# Altium PCB EMv2MainBoard.PcbDoc (continued)
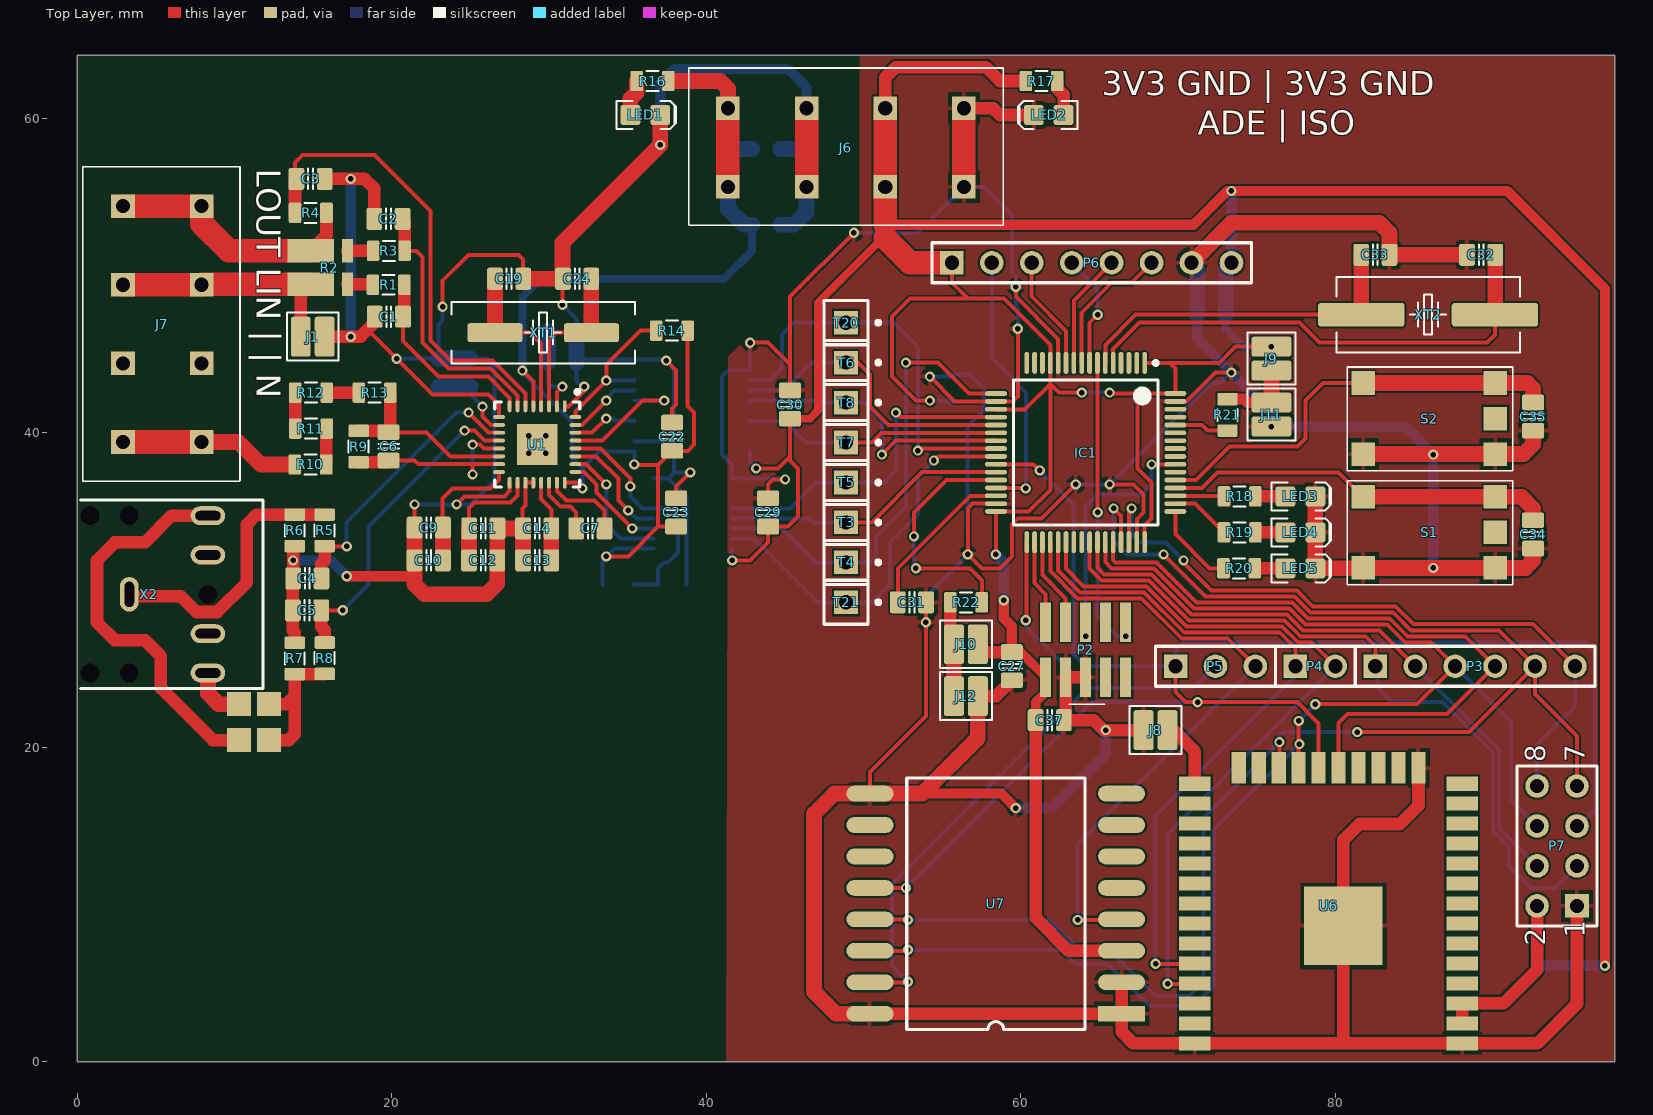
[diagram p0: Top Layer view]
## Part data
C1 C2 C3 C4 C5 C6 C7 C8 C9 C10 C11 C12 C13 C14 C15 C16 C17 C18 C19 C20 C21 C22 C23 C24 C27 C29 C30 C31 C34 C35 C36 C37 C38 C39: library part CAPC_100n_0805_X7R_50V_10%, "Capacitor SMD Cer 100nF 10% 50V X7R 0805", Manufacturer 1=Kemet, Manufacturer Part Number 1=C0805C104K5RACTU, Package / Case="0805 (2012 metric)", Ratings="50V; X7R", Supplier Part Number 1=399-1170-1-ND, Tolerance=±10%, Material=ceramic, SCDType=undef, Supplier 1=Digi-Key
C32 C33: library part CAPC_27p_0805_NP0_50V_5%, "Capacitor SMD Cer 27pF 5% 50V NP0 0805", Manufacturer 1="Panasonic - ECG", Manufacturer Part Number 1=ECJ-2VC1H270J, Operating Temperature="-55°C ~ 125°C", Package / Case="0805 (2012 metric)", Ratings="50V; NP0", Supplier Part Number 1=PCC270CGCT-ND, Tolerance=±5%, SCDType=undef, Supplier 1=Digi-Key
IC1: Manufacturer=STMICROELECTRONICS, Component Type=IC, Manufacturer Part No=STM32F410RBT6
J1 J8 J9 J10 J11 J12: library part JUMP1, "SMD jumper"
LED1 LED2 LED3 LED4 LED5: library part LED_SMD_Green_0805_6mcd, "LED, 0805 SMD, Green", Manufacturer 1=LITE-ON, Manufacturer Part Number 1=LTST-C171GKT, Package / Case=0805, Ratings="6 mcd; 569 nm", Supplier Part Number 1=160-1423-1-ND, Color=Green, Material=GaP, SCDType=source, Supplier 1=Digi-Key
P2: library part SW_debug
P3: "Header, 6-Pin", LatestRevisionDate=17-Jul-2002, LatestRevisionNote="Re-released for DXP Platform.", Publisher="Altium Limited"
P4: "Header, 2-Pin", LatestRevisionDate=17-Jul-2002, LatestRevisionNote="Re-released for DXP Platform.", Publisher="Altium Limited"
P5: "Header, 3-Pin", LatestRevisionDate=17-Jul-2002, LatestRevisionNote="Re-released for DXP Platform.", Publisher="Altium Limited"
P6: library part "Header 8", "Header, 8-Pin", LatestRevisionDate=17-Jul-2002, LatestRevisionNote="Re-released for DXP Platform.", Publisher="Altium Limited"
P7: library part "Header 4X2", "Header, 4-Pin, Dual row", LatestRevisionDate=17-Jul-2002, LatestRevisionNote="Re-released for DXP Platform.", Publisher="Altium Limited"
R1 R3 R4 R5 R6 R7 R8 R9 R10 R11 R12 R13 R14 R15: library part RES_100K_0805_1%, "Resistor SMD chip 100k Ohm 0.125W 1% 0805", Manufacturer 1=Vishay/Dale, Manufacturer Part Number 1=CRCW0805100KFKEA, Package / Case="0805 (2012 metric)", Ratings=1/8W, Supplier Part Number 1=541-100KCCT-ND, SCDType=spec, Supplier 1=Digi-Key
R2: library part wsk1216, "Power Metal Strip® Resistors, Low Value, / High Power, Surface-Mount, 4-Terminal", Mouser=71-WSK12161L000FEA
R16 R17 R18 R19 R20 R21 R22: library part RES_1K_0805_1%, "Resistor SMD chip 1k Ohm 0.125W 1% 0805", Manufacturer 1=Vishay/Dale, Manufacturer Part Number 1=CRCW08051K00FKEA, Package / Case="0805 (2012 metric)", Ratings=1/8W, Supplier Part Number 1=541-1.00KCCT-ND, Tolerance=±1%, SCDType=spec, Supplier 1=Digi-Key
T3 T4 T5 T6 T7 T8 T20 T21: library part Test_Point
U1: "Energy Metering IC with Autocalibration", Mouser=584-ADE9153AACPZ
U4: "6-Channel, Low-Power, / 3.75kVRMS, SPI Digital Isolator", Mouser=700-MAX14483AAP+
U5: library part Si8663BC-B-IS1, "Low Power Six-Channel Digital Isolator, 150 Mbps, 3.75 kVRMS Isolation Rating, -40 to 125 degC, 16-pin SOIC", Isolation Rating (kV)=3.75, Manufacturer="Silicon Labs", Supplier Part Number 1=336-2128-5-ND, 10kV surge=FALSE, AEC-Q100=FALSE, Channel Type=Unidirectional, Code_IPC=J-STD-020, Code_JEDEC=MS-012, ComponentLink1Description="Manufacturer URL", ComponentLink1URL=http://www.silabs.com/, ComponentLink2Description=Datasheet, ComponentLink2URL=http://www.silabs.com/Support%20Documents/TechnicalDocs/Si866x.pdf, ComponentLink3Description="Package Specification", ComponentLink3URL=http://www.silabs.com/Support%20Documents/TechnicalDocs/si2401.pdf, DatasheetVersion="Rev. 1.4", Enable Control=FALSE, Maximum Data Rate (Mbps)=150, Maximum Propagation Delay (ns)=13, Mounting Technology="Surface Mount", Mouser=634-SI8660BB-B-IU, PackageDescription="16-Pin Small-Outline Integrated Circuit, Body 9.9 x 3.9 mm, Pitch 1.27 mm", PackageReference=SOIC-16-NB, PartNumber=Si8663BC-B-IS1, Sub-Family=Isolators, Supplier 1=Digi-Key, Supplier 2=Mouser, Supplier Part Number 2=634-SI8663BC-B-IS1
U6: "Wi-Fi+BT+BLE MCU modules", ComponentLink1Description=Espressif, ComponentLink1URL=https://hr.mouser.com/datasheet/2/891/esp32-wroom-32d_esp32-wroom-32u_datasheet_en-1365844.pdf, Mouser=356-ES32WROOM32U16MB
X2: library part "Audio jack 35RAPC4BHN2", "Switchcraft 35RAPC4BHN2, 3.5mm stereo jack"
XT1 XT2: library part Crystal_6MHz_HC49/US, "Resonator Ceramic 6.00 MHz 30ppm", Frequency=6MHz, Frequency Stability=±50ppm, Frequency Tolerance=±30ppm, Load Capacitance=18pF, Manufacturer 1="CTS-Frequency Controls", Manufacturer Part Number 1=ATS060BSM-1, Operating Mode=Fundamental, Operating Temperature="-20°C ~ 70°C", Package / Case=HC49/US-SM, Ratings="6.00 MHz", Supplier Part Number 1=CTX882CT-ND, ComponentLink1Description=http://www.ctscorp.com/components/Datasheets/008-0309-0.pdf, ComponentLink1URL=http://www.ctscorp.com/components/Datasheets/008-0309-0.pdf, Mounting Type="Surface Mount", Parameter Name="0.169\" (4.30mm)", SCDType=spec, Size / Dimension="0.437\" L x 0.190\" W (11.10mm x 4.83mm)", Supplier 1=Digi-Key, Type="MHz Crystal"

## Free pads (board coordinates)
  rect 1.524x1.524 smd: 2(10.287,20.447) 2(10.287,22.733) 2(12.192,20.447) 3(12.192,22.733)

## Via types
v1: diameter 0.65, hole 0.35, Top Layer to Bottom Layer, 95 vias

## Nets (pads, with @x,y where several pads share a name; then routed paths per layer and width w, separated by ;. In a path a pad name is that pad's centre, name@x,y a point inside that pad or via, vN(x,y) a via of type N, cw(c..) or ccw(c..) an arc to the next point about the centre after c; other vN are vias at no path point)
3V3-ADE: C20.1 C21.1 C22.1 C23.1 J6.1 R14.1 R15.1 R16.1 U1.5 U1.24 U4.1 U5.1 | length 85.8
  Top Layer w0.254: v1(28.321,43.942) 29.011,43.252 U1.5 ; U1.24 31.762,36.818 v1(32.131,36.449) ; v1(33.655,32.131) 35.052,32.131 36.946,34.025 ; v1(35.433,37.973) 35.466,37.94 36.946,37.94 ; C23.1 36.946,34.025 ; R14.1 38.83,41.688 39.243,41.275 39.243,39.243 38.84,38.84 C22.1 36.946,37.94 ; 36.946,34.025 36.946,37.94
  Top Layer w1: R16.1 40.894,62.357 41.388,61.863 J6.1@41.388,60.626
  Top Layer w1.5: J6.1@41.388,55.626 J6.1@41.388,60.626
  Bottom Layer w0.254: v1(28.321,43.942) 28.321,43.815 31.496,40.64 31.496,38.354 32.131,37.719 ; v1(32.131,36.449) 32.131,37.719 ; R15.1 33.417,31.893 v1(33.655,32.131) 34.163,32.639 U5.1 ; v1(35.433,37.973) 35.433,38.771 U4.1 33.199,38.787 32.131,37.719
  Bottom Layer w0.5: v1(28.321,43.942) 28.321,48.641 29.464,49.784 41.148,49.784 42.915,51.551 C20.1
  Bottom Layer w1: J6.1@41.388,55.626 41.388,54.243 42.418,53.213 C20.1 ; 41.388,58.126 41.475,58.039 C21.1
  Bottom Layer w1.5: J6.1@41.388,55.626 41.388,58.126 J6.1@41.388,60.626
AO-LCD: IC1.8 P6.4 | length 7.3
  Top Layer w0.254: IC1.8 64.385,46.986 v1(64.897,47.498)
  Bottom Layer w0.254: P6.4 64.897,49.149 v1(64.897,47.498)
AVDDOUT: C9.1 C10.1 U1.16 | length 8.5
  Top Layer w0.254: C9.1 23.241,33.982 23.241,35.814 23.876,36.449 26.289,36.449 26.836,36.996 U1.16
  Top Layer w1: C10.1 C9.1
BOOT0: IC1.60 R21.2 | length 3.5
  Top Layer w0.254: IC1.60 71.529,40.485 71.882,40.132 R21.2
BOOT1: IC1.28 R22.2 | length 15.6
  Top Layer w0.254: v1(53.213,33.401) 53.213,34.925 55.273,36.985 IC1.28 ; v1(53.34,31.369) 56.769,31.369 57.531,30.607 R22.2
  Bottom Layer w0.254: v1(53.213,33.401) 53.213,31.496 v1(53.34,31.369)
CE-NRF: IC1.41 P3.1 P7.3 | length 46.8
  Top Layer w0.254: IC1.41 64.385,31.373 65.151,30.607 68.164,30.607 70.704,28.067 76.77,28.067 77.786,27.051 81.915,27.051 82.55,26.416 P3.1
  Bottom Layer w0.254: P3.1 82.677,25.019 82.677,23.749 83.566,22.86 86.837,22.86 90.043,19.654 90.043,14.701 91.059,13.685 91.059,12.446 92.456,11.049 93.98,11.049 P7.3
CLK-ESP: IC1.26 P5.1 P7.5 U6.20 U7.12 | length 102.2
  Top Layer w0.254: U7.12 v1(52.705,11.049) ; IC1.26 60.821,37.985 v1(61.214,37.592) ; P5.1 69.85,23.495 70.485,22.86 v1(71.247,22.86) 77.597,22.86 78.948,21.509 U6.20
  Bottom Layer w0.254: v1(52.705,11.049) 64.516,22.86 v1(71.247,22.86) ; v1(61.214,37.592) 63.373,35.433 63.373,25.908 64.135,25.146 P5.1 69.85,26.162 70.358,26.67 95.885,26.67 96.52,26.035 96.52,16.002 95.504,14.986 P7.5
CLKIN: C19.2 U1.4 XT1.2 | length 10.7
  Top Layer w0.254: XT1.2 28.829,46.355 29.511,45.673 U1.4
  Top Layer w1: XT1.2 C19.2
CLKOUT: C24.2 U1.3 XT1.1 | length 10.5
  Top Layer w0.254: U1.3 30.011,45.886 30.48,46.355 XT1.1 XT1.1@32.701,46.366
  Top Layer w1: XT1.1@32.701,46.366 C24.2
CS-ESP: IC1.44 P3.4 U6.19 | length 42.5
  Top Layer w0.254: IC1.44 65.885,31.905 66.04,31.75 68.638,31.75 71.178,29.21 77.243,29.21 78.259,28.194 83.47,28.194 84.613,27.051 88.265,27.051 P3.4 87.122,22.098 80.772,22.098 80.218,21.544 U6.19
CS-LCD: IC1.9 P6.6 | length 8.9
  Top Layer w0.254: IC1.9 63.885,47.629 65.786,49.53 67.056,49.53 P6.6
CSN-NRF: IC1.42 P3.2 P7.4 | length 40.3
  Top Layer w0.254: IC1.42 64.885,31.412 65.309,30.988 68.322,30.988 70.862,28.448 76.927,28.448 77.943,27.432 82.804,27.432 P3.2
  Bottom Layer w0.254: P3.2 90.424,19.812 90.424,14.859 P7.4
CT1: R5.2 R6.1 X2.1 | length 17.6
  Top Layer w0.8: X2.1 3.449,29.591 6.604,29.591 7.604,28.591 8.906,28.591 10.795,30.48 10.795,34.163 11.414,34.782 R6.1 R5.2
CT2: pad.2 pad.3 R7.2 R8.2 X2.2 X2.3 | length 38.5
  Top Layer w0.8: X2.2 X2.2@8.386,24.654 ; X2.3 6.016,34.718 4.318,33.02 2.413,33.02 1.27,31.877 1.27,27.94 2.413,26.797 4.318,26.797 5.334,25.781 5.334,23.749 8.636,20.447 pad.2@10.287,20.447 ; pad.2@12.192,20.447 13.462,20.447 13.843,20.828 13.843,23.241 ; pad.3 13.335,22.733 13.843,23.241 ; R8.2 15.732,24.638 R7.2 13.843,23.241
  Top Layer w1: X2.2 8.322,23.428 9.017,22.733 pad.2@10.287,22.733
DVDOUT: C17.1 C18.1 U1.2 | length 5.7
  Top Layer w0.254: U1.2 30.511,42.576 v1(30.861,42.926)
  Bottom Layer w0.254: C17.1 29.961,43.191 30.226,42.926 v1(30.861,42.926)
  Bottom Layer w1: C17.1 C18.1
FA1: C7.2 U1.22 | length 4
  Top Layer w0.254: U1.22 30.011,36.029 30.734,35.306 31.369,35.306 31.739,34.936 C7.2
FA2: C7.1 U1.23 | length 5.2
  Top Layer w0.254: U1.23 30.511,36.291 31.115,35.687 32.893,35.687 33.539,35.041 C7.1
GND: C27.2 C29.1 C30.1 C31.2 C32.1 C33.1 C34.1 C35.1 C36.2 C37.2 C38.2 C39.2 IC1.12 IC1.18 IC1.31 IC1.47 IC1.63 J6.4 J8.2 J11.2 J12.2 LED2.K LED3.K LED4.K LED5.K P2.3 P2.5 P6.7 P7.1 S1.2 S2.2 U4.11 U4.12 U5.9 U6.1 U6.15 U6.38 U7.1 U7.2 U7.9 U7.16 | length 370
  Top Layer w0.254: v1(42.799,45.72) 43.942,45.72 45.339,44.323 ; C29.1 43.942,36.703 44.259,37.02 v1(45.021,37.02) ; C30.1 45.339,44.323 ; v1(49.403,52.705) 45.339,48.641 45.339,44.323 ; U7.9 50.419,18.415 53.975,21.971 v1(53.975,27.94) 53.975,29.199 C31.2 ; v1(54.229,43.561) 55.805,41.985 IC1.18 59.511,41.985 59.817,42.291 v1(59.817,46.609) ; IC1.31 56.948,35.485 56.642,35.179 v1(56.642,32.258) 57.531,31.369 58.674,31.369 59.436,32.131 59.436,34.163 59.817,34.544 61.341,34.544 v1(63.5,36.703) ; v1(59.69,49.276) 59.69,48.641 62.385,45.946 IC1.12 ; v1(65.659,36.703) 67.183,36.703 67.818,36.068 67.818,34.925 67.385,34.492 IC1.47 ; IC1.63 70.56,41.985 72.39,43.815 v1(73.406,43.815)
  Top Layer w0.65: 53.752,17.049 58.77,17.049 v1(59.69,16.129)
  Top Layer w0.8: U7.16 U7.1 ; J6.4@56.388,60.626 58.246,60.626 58.674,60.198 LED2.K ; J12.2 58.431,23.241 C27.2 ; P2.5 P2.3 62.865,21.833 C37.2 64.643,21.717 65.278,21.082 v1(65.405,21.082) J8.2 ; U7.2 U7.1 ; U6.15 85.298,16.302 84.109,15.113 81.534,15.113 80.518,14.097 80.518,8.636 80.518,1.166 ; P7.1 95.377,3.683 92.86,1.166 U6.1 80.518,1.166 ; U7.1 66.419,1.907 67.16,1.166 71.078,1.166 80.518,1.166
  Top Layer w1: U7.16 48.259,3.049 46.863,4.445 46.863,15.748 48.164,17.049 U7.9 53.752,17.049 57.277,20.574 J12.2 ; P6.7 73.406,53.34 82.804,53.34 83.45,52.694 C33.1 C32.1 ; LED3.K LED4.K LED5.K 81.75,31.369 81.775,31.394 v1(86.233,31.394) 90.183,31.394 92.1,31.394 92.583,31.877 C34.1 ; S2.2@81.775,38.633 90.183,38.633 91.973,38.633 92.583,39.243 C35.1
  Top Layer w1.5: J6.4@56.388,55.626 J6.4@56.388,60.626
  Bottom Layer w0.254: v1(42.799,45.72) U4.11 U4.12 41.447,43.987 41.021,43.561 41.021,38.608 41.656,37.973 U5.9 44.958,37.084 v1(45.021,37.02) ; v1(49.403,52.705) 53.467,52.705 56.388,55.626 57.658,55.626 59.436,53.848 59.436,50.165 59.69,49.911 v1(59.69,49.276) 59.69,48.006 59.817,47.879 v1(59.817,46.609) ; v1(53.975,27.94) 53.975,29.591 v1(56.642,32.258) 56.642,33.644 C38.2 56.631,40.375 57.658,41.402 57.658,42.799 56.769,43.688 C39.2 55.499,43.561 v1(54.229,43.561) ; v1(63.5,36.703) v1(65.659,36.703) 72.136,43.18 72.771,43.18 v1(73.406,43.815)
  Bottom Layer w0.65: v1(59.69,16.129) 61.976,16.129 65.405,19.558 v1(65.405,21.082) ; C36.2 71.236,45.985 v1(73.406,43.815) 75.946,41.275 v1(75.946,40.386) 84.455,40.386 v1(86.233,38.608) v1(86.233,31.394)
  Bottom Layer w1: P6.7 71.236,50.43 C36.2
  Bottom Layer w1.5: J6.4@56.388,55.626 J6.4@56.388,60.626
GND-ADE: C1.2 C2.1 C3.2 C4.2 C5.1 C8.2 C9.2 C10.2 C11.2 C12.2 C13.2 C14.2 C15.2 C16.2 C17.2 C18.2 C19.1 C20.2 C21.2 C22.2 C23.2 C24.1 J1.1 J6.2 LED1.K R6.2 R7.1 U1.1 U1.9 U1.17 U1.19 U1.20 U4.2 U4.10 U5.8 | length 189.6
  Top Layer w0.254: 18.479,46.545 v1(20.32,44.704) 22.606,42.418 26.162,42.418 26.836,41.744 U1.9 ; C9.2 v1(21.463,35.433) ; v1(23.241,48.006) 23.241,49.657 24.892,51.308 28.067,51.308 28.372,51.003 C19.1 ; v1(24.13,35.433) 24.638,35.941 27.178,35.941 27.511,36.274 U1.17 ; C14.2 28.321,33.949 28.321,35.179 28.511,35.369 U1.19 U1.20 ; v1(30.861,48.133) C24.1@30.861,49.744 ; U1.1 31.254,41.668 32.258,42.672 v1(32.258,42.926) ; v1(37.465,44.577) 38.1,43.942 38.1,41.783 37.846,41.529 C22.2 ; C23.2 38.1,36.576 v1(38.989,37.465)
  Top Layer w0.65: v1(17.145,30.861) 21.463,30.861
  Top Layer w0.8: R7.1 13.843,27.305 13.716,27.432 13.716,30.711 C4.2 v1(13.739,31.877) 13.739,32.678 R6.2 ; J1.1 v1(17.399,46.101) 18.034,46.101 18.479,46.545 18.923,46.99 C1.2 ; C3.2 v1(17.399,56.134) 18.288,56.134 18.901,55.521 C2.1
  Top Layer w1: C9.2 C10.2 21.463,30.861 21.463,30.353 22.098,29.718 26.035,29.718 26.721,30.404 C12.2 26.721,33.898 C11.2 28.281,33.909 C14.2@28.321,33.949 ; C13.2 C14.2 ; C19.1 C24.1@30.861,49.784 ; C24.1@30.861,49.744 C24.1@30.861,49.784 ; LED1.K v1(37.084,58.293) 30.861,52.07 C24.1@30.861,49.784
  Top Layer w1.5: J6.2@46.388,55.626 J6.2@46.388,60.626
  Bottom Layer w0.254: v1(20.32,44.704) 20.331,44.715 C15.2 22.987,46.863 23.241,47.117 v1(23.241,48.006) ; v1(21.463,35.433) v1(24.13,35.433) 25.019,35.433 26.543,36.957 26.543,44.196 26.024,44.715 C16.2 ; v1(30.861,48.133) 31.761,47.233 C18.2 ; v1(32.258,42.926) 32.131,42.926 31.761,43.296 C17.2 31.948,44.637 U4.10 37.405,44.637 v1(37.465,44.577) 37.973,44.069 37.973,39.116 ; U4.2 37.652,39.437 37.973,39.116 ; U5.8 37.592,37.084 ; C8.2 38.746,35.93 37.592,37.084 ; v1(38.989,37.465) 37.973,37.465 ; 37.592,37.084 37.973,37.465 ; 37.973,37.465 37.973,39.116
  Bottom Layer w0.65: v1(13.739,31.877) 16.129,31.877 v1(17.145,30.861) ; v1(17.399,46.101) v1(17.399,56.134) ; v1(37.084,58.293) 37.084,62.23 37.973,63.119 45.212,63.119 46.388,61.943 J6.2@46.388,60.626
  Bottom Layer w1: C15.2 C16.2 ; C17.2 C18.2 ; C20.2 45.593,53.213 46.388,54.008 J6.2@46.388,55.626 ; C21.2 46.388,58.039
  Bottom Layer w1.5: J6.2@46.388,55.626 46.388,58.039 J6.2@46.388,60.626
IAMS: C3.1 R4.1 U1.6 | length 30
  Top Layer w0.254: C3.1@13.859,56.045 13.859,57.166 14.351,57.658 18.923,57.658 22.479,54.102 22.479,45.847 23.749,44.577 26.416,44.577 28.511,42.482 U1.6
  Top Layer w0.8: R4.1 C3.1@13.859,56.045
IAN: C2.2 R3.1 U1.7 | length 17
  Top Layer w0.254: R3.1 21.59,51.562 21.971,51.181 21.971,45.72 23.622,44.069 26.289,44.069 28.011,42.347 U1.7
  Top Layer w0.8: C2.2 20.828,53.467 R3.1
IAP: C1.1 R1.1 U1.8 | length 12.4
  Top Layer w0.254: C1.1 20.723,45.825 22.987,43.561 26.162,43.561 27.511,42.212 U1.8
  Top Layer w0.8: C1.1 20.812,47.46 R1.1
IBN: C4.1 R5.1 U1.11 | length 18.2
  Top Layer w0.254: R5.1 15.764,32.766 v1(17.145,32.766) ; v1(24.892,41.275) 26.174,39.993 U1.11
  Top Layer w0.8: C4.1 15.539,31.668 15.748,31.877 R5.1
  Bottom Layer w0.254: v1(17.145,32.766) 17.145,34.29 24.13,41.275 v1(24.892,41.275)
IBP: C5.2 R8.1 U1.12 | length 20.5
  Top Layer w0.254: C5.2 v1(16.891,28.702) ; v1(24.638,40.132) 25.273,40.132 25.912,39.493 U1.12
  Top Layer w0.8: C5.2 15.528,27.652 15.748,27.432 R8.1
  Bottom Layer w0.254: v1(16.891,28.702) 18.542,30.353 18.542,33.909 ; 18.542,34.036 v1(24.638,40.132)
IRQ-NRF: IC1.46 P3.6 P7.8 | length 44.2
  Top Layer w0.254: IC1.46 66.885,35.008 v1(67.056,35.179) ; v1(70.358,31.877) 70.358,31.75 72.136,29.972 77.559,29.972 78.575,28.956 83.851,28.956 84.978,27.828 92.568,27.828 P3.6
  Bottom Layer w0.254: v1(67.056,35.179) 67.056,33.528 67.564,33.02 69.215,33.02 v1(70.358,31.877) ; P7.8 92.837,20.193 95.25,22.606 P3.6
LED1: IC1.51 R18.1 | length 3.1
  Top Layer w0.254: IC1.51 72.886,35.985 R18.1
LED2: IC1.50 R19.1 | length 3.9
  Top Layer w0.254: IC1.50 71.1,35.485 R19.1
LED3: IC1.49 R20.1 | length 5.4
  Top Layer w0.254: IC1.49 69.835,33.543 72.009,31.369 R20.1
MISO-ESP: IC1.45 P3.5 P7.7 U6.22 U7.13 | length 104.2
  Top Layer w0.254: U7.13 52.8,9.049 v1(52.832,9.017) ; v1(65.913,35.179) 66.385,34.707 IC1.45 ; v1(69.088,32.258) 71.755,29.591 77.401,29.591 78.417,28.575 83.693,28.575 84.836,27.432 90.424,27.432 P3.5 ; U6.22 76.454,18.722 v1(76.454,20.32) ; v1(81.407,20.955) 88.519,20.955 P3.5 ; P7.7 95.377,20.701 92.71,23.368 P3.5
  Bottom Layer w0.254: v1(52.832,9.017) 61.849,9.017 63.754,7.112 65.659,7.112 68.58,4.191 70.739,4.191 71.628,5.08 71.628,15.494 v1(76.454,20.32) 76.454,20.701 76.708,20.955 v1(81.407,20.955) ; v1(65.913,35.179) 65.913,33.147 66.802,32.258 v1(69.088,32.258)
MISO-LCD: IC1.10 P6.5 | length 7.4
  Top Layer w0.254: IC1.10 63.385,48.399 P6.5
MOSI-ESP: IC1.43 P3.3 P7.6 U6.21 U7.14 | length 94.5
  Top Layer w0.254: U7.14 52.769,7.049 v1(52.832,7.112) ; IC1.43 65.385,31.77 65.786,31.369 68.48,31.369 71.02,28.829 77.085,28.829 78.101,27.813 83.312,27.813 84.455,26.67 86.106,26.67 P3.3 85.217,22.733 v1(78.74,22.733) ; U6.21 v1(77.678,21.671)
  Bottom Layer w0.254: v1(52.832,7.112) 62.611,7.112 63.5,6.223 65.532,6.223 68.199,3.556 70.993,3.556 72.263,4.826 72.263,14.732 v1(77.724,20.193) ; v1(77.678,21.671) v1(78.74,22.733) ; P3.3 91.186,21.59 91.186,16.637 P7.6
MOSI-LCD: IC1.11 P6.3 | length 7.3
  Top Layer w0.254: P6.3 60.706,48.641 62.885,46.462 IC1.11
MSH: C13.1 C14.1 U1.21 | length 5.2
  Top Layer w0.254: U1.21 29.511,35.767 30.161,35.117 C14.1
  Top Layer w1: C13.1 C14.1
NetC31_1: C31.1 IC1.30 | length 10.3
  Top Layer w0.254: C31.1 52.186,31.358 56.813,35.985 IC1.30
NetIC1_17: IC1.17 T4.1 U5.14 | length 29.8
  Top Layer w0.254: v1(52.705,44.45) 54.737,44.45 56.702,42.485 IC1.17
  Bottom Layer w0.254: U5.14 44.831,33.909 46.99,31.75 T4.1 50.419,31.75 50.8,32.131 50.8,33.401 52.705,35.306 v1(52.705,44.45)
NetIC1_20: IC1.20 T5.1 U5.12 | length 21.6
  Top Layer w0.254: v1(52.07,41.275) 52.36,40.985 IC1.20
  Bottom Layer w0.254: U5.12 45.339,35.179 46.99,36.83 T5.1 51.308,36.83 52.07,37.592 v1(52.07,41.275)
NetIC1_21: IC1.21 T6.1 U4.14 | length 19.2
  Top Layer w0.254: T6.1 49.657,44.45 50.419,43.688 50.419,41.656 51.59,40.485 IC1.21
  Bottom Layer w0.254: U4.14 44.973,42.687 46.736,44.45 T6.1
NetIC1_22: IC1.22 T7.1 U4.17 | length 16.5
  Top Layer w0.254: T7.1 50.546,39.37 51.161,39.985 IC1.22
  Bottom Layer w0.254: U4.17 44.988,40.737 46.355,39.37 T7.1
NetIC1_23: IC1.23 T8.1 U4.15 | length 18.7
  Top Layer w0.254: v1(51.181,38.608) 52.058,39.485 IC1.23
  Bottom Layer w0.254: U4.15 46.99,42.037 47.117,41.91 T8.1 50.038,41.91 51.181,40.767 v1(51.181,38.608)
NetIC1_24: IC1.24 T20.1 U4.13 | length 25.7
  Top Layer w0.254: v1(53.467,38.862) 53.59,38.985 IC1.24
  Bottom Layer w0.254: U4.13 44.099,43.337 44.831,44.069 44.831,46.228 45.593,46.99 T20.1 51.943,46.99 53.467,45.466 v1(53.467,38.862)
NetIC1_25: IC1.25 T21.1 U5.15 | length 25.3
  Top Layer w0.254: v1(54.483,38.227) 54.741,38.485 IC1.25
  Bottom Layer w0.254: U5.15 43.053,33.274 47.117,29.21 T21.1 50.546,29.21 51.689,30.353 51.689,33.02 53.467,34.798 53.467,37.211 v1(54.483,38.227)
NetIC1_27: IC1.27 T3.1 U5.13 | length 18.2
  Top Layer w0.254: T3.1 50.546,34.29 53.741,37.485 IC1.27
  Bottom Layer w0.254: U5.13 46.482,34.544 46.736,34.29 T3.1
NetJ1_2: J1.2 J7.3 R2.2 | length 15.5
  Top Layer w0.8: J1.2 14.224,48.787 R2.2
  Top Layer w1.5: J7.3@2.921,49.403 7.921,49.403 7.94,49.422 R2.2
NetJ2_2: 
NetJ3_1: 
NetJ3_4: J7.1 R10.2 | length 11.5
  Top Layer w1: J7.1@7.921,39.403 10.254,39.403 11.684,37.973 R10.2
  Top Layer w1.5: J7.1@2.921,39.403 J7.1@7.921,39.403
NetJ4_2: 
NetJ7_4: J7.4 R2.1 R4.2 | length 16.6
  Top Layer w0.8: R2.1 15.859,52.562 R4.2
  Top Layer w1.5: J7.4@2.921,54.403 7.921,54.403 7.921,53.293 9.652,51.562 R2.1
NetJ8_1: J8.1 U6.25 | length 4.3
  Top Layer w0.8: J8.1 69.723,21.082 71.078,19.727 U6.25
NetJ9_2: J9.2 J11.1 R21.1 | length 4.9
  Top Layer w0.7: R21.1 74.2,42.132 74.422,41.91 J11.1
  Top Layer w1: J11.1 J9.2
NetJ10_2: J10.2 J12.1 R22.1 | length 6.1
  Top Layer w0.254: J10.2@55.531,26.765 J10.2
  Top Layer w0.8: J10.2@55.531,26.765 R22.1
  Top Layer w1: J12.1 J10.2
NetLED1_A: LED1.A R16.2 | length 2.3
  Top Layer w1: LED1.A 35.179,61.214 35.592,61.627 R16.2
NetLED2_A: LED2.A R17.2 | length 2.3
  Top Layer w0.8: R17.2 62.325,61.881 62.738,61.468 LED2.A
NetLED3_A: LED3.A R18.2 | length 1.9
  Top Layer w0.8: R18.2 LED3.A
NetLED4_A: LED4.A R19.2 | length 1.9
  Top Layer w0.8: R19.2 LED4.A
NetLED5_A: LED5.A R20.2 | length 1.9
  Top Layer w0.8: R20.2 LED5.A
NetR1_2: R1.2 R2.4 | length 1.6
  Top Layer w0.8: R2.4 18.793,49.422 R1.2
NetR2_3: R2.3 R3.2 | length 1.6
  Top Layer w0.8: R2.3 18.818,51.572 R3.2
NetR10_1: R10.1 R11.2 | length 2.3
  Top Layer w0.8: R10.1 15.843,40.227 R11.2
NetR11_1: R11.1 R12.2 | length 2.3
  Top Layer w0.8: R11.1 R12.2
NetR12_1: R12.1 R13.2 | length 2
  Top Layer w0.8: R12.1 R13.2
NetU1_25: U1.25 U5.3 | length 6.8
  Top Layer w0.254: U1.25 32.23,37.493 33.02,36.703 33.02,36.195 v1(35.306,33.909)
  Bottom Layer w0.254: v1(35.306,33.909) U5.3
NetU1_26: U1.26 U5.2 | length 8.4
  Top Layer w0.254: U1.26 32.365,37.993 v1(33.655,36.703)
  Bottom Layer w0.254: v1(33.655,36.703) 33.655,34.163 34.544,33.274 U5.2
NetU1_27: U1.27 U5.4 | length 7.4
  Top Layer w0.254: U1.27 33.008,38.493 34.417,37.084 34.417,35.687 v1(35.052,35.052)
  Bottom Layer w0.254: v1(35.052,35.052) 35.56,34.544 U5.4
NetU1_29: U1.29 U4.6 | length 8.6
  Top Layer w0.254: U1.29 33.397,39.493 35.941,42.037 v1(37.338,42.037)
  Bottom Layer w0.254: U4.6 v1(37.338,42.037)
NetU1_30: U1.30 U4.4 | length 4.2
  Top Layer w0.254: U1.30 32.754,39.993 v1(33.655,40.894)
  Bottom Layer w0.254: v1(33.655,40.894) 34.036,40.894 34.163,40.767 35.419,40.767 U4.4
NetU1_31: U1.31 U4.7 | length 4.7
  Top Layer w0.254: U1.31 32.111,40.493 v1(33.655,42.037)
  Bottom Layer w0.254: v1(33.655,42.037) 33.655,42.164 34.178,42.687 U4.7
NSS-LORA: IC1.33 P5.2 U7.15 | length 46.3
  Top Layer w0.254: U7.15 52.801,5.049 v1(52.832,5.08) ; v1(60.325,28.067) 60.385,28.127 IC1.33
  Bottom Layer w0.254: v1(52.832,5.08) 51.816,6.096 51.816,11.303 64.262,23.749 ; v1(60.325,28.067) 60.325,27.686 64.262,23.749 ; P5.2 70.993,23.749 64.262,23.749
REFIN: C11.1 C12.1 U1.18 | length 7.6
  Top Layer w0.254: C12.1@24.892,31.848 C12.1 ; C11.1@24.921,33.898 24.921,35.208 25.273,35.56 27.559,35.56 28.011,36.012 U1.18
  Top Layer w1: C12.1 C11.1@24.921,33.898
RES-ADE-HOT: C8.1 R15.2 U1.28 U5.5 | length 15.5
  Top Layer w0.254: U1.28 33.27,38.993 35.179,37.084 v1(35.179,36.576)
  Bottom Layer w0.254: v1(35.179,36.576) 35.179,35.941 35.941,35.179 U5.5 37.719,35.179 38.227,34.671 38.227,32.385 37.592,31.75 37.338,31.75 36.946,31.358 C8.1 R15.2
RES-LORA: IC1.36 P5.3 U7.4 | length 41
  Top Layer w0.254: IC1.36 61.885,31.206 63.627,29.464 67.691,29.464 70.231,26.924 73.152,26.924 P5.3 ; v1(63.627,9.017) 66.387,9.017 U7.4
  Bottom Layer w0.254: v1(63.627,9.017) 63.627,13.843 P5.3
RESET: IC1.7 P2.10 | length 18.8
  Top Layer w0.254: IC1.7 64.885,34.937 v1(64.897,34.925) ; v1(66.675,27.051) P2.10@66.675,27.432
  Bottom Layer w0.254: v1(64.897,34.925) 64.897,28.321 66.167,27.051 v1(66.675,27.051)
RXD0-ESP32: IC1.37 P4.1 U6.34 | length 45.2
  Top Layer w0.254: IC1.37 62.385,31.245 63.785,29.845 67.849,29.845 70.389,27.305 76.454,27.305 77.47,26.289 P4.1 ; v1(68.58,6.223) 71.055,6.223 U6.34
  Bottom Layer w0.254: v1(68.58,6.223) 68.58,15.621 77.47,24.511 P4.1
SCLK-LCD: IC1.29 P6.2 | length 17.2
  Top Layer w0.254: IC1.29 60.289,36.485 v1(60.325,36.449)
  Bottom Layer w0.254: P6.2 58.166,44.704 60.325,42.545 v1(60.325,36.449)
SS-ADE-HOT: R14.2 U1.32 U4.8 | length 10
  Top Layer w0.254: U1.32 31.686,41.338 v1(33.655,43.307) 33.655,44.323 35.814,46.482 R14.2
  Bottom Layer w0.254: v1(33.655,43.307) 35.419,43.307 U4.8
SW1: C34.2 IC1.52 S1.1 | length 24.9
  Top Layer w0.254: IC1.52 71.537,36.485 72.517,37.465 80.226,37.465 S1.1@81.775,35.916
  Top Layer w1: S1.1@81.775,35.916 90.183,35.916 91.846,35.916 92.583,35.179 C34.2
SW2: C35.2 IC1.53 S2.1 | length 27.7
  Top Layer w0.254: IC1.53 71.148,36.985 73.279,39.116 77.597,39.116 78.105,39.624 78.105,42.037 79.223,43.155 S2.1@81.775,43.155
  Top Layer w1: S2.1@81.775,43.155 90.183,43.155 92.227,43.155 92.583,42.799 C35.2
SWCLK: IC1.35 P2.4 | length 5.7
  Top Layer w0.254: IC1.35 61.385,30.944 62.865,29.464 P2.4
SWDIO: IC1.34 P2.2 | length 5.4
  Top Layer w0.254: IC1.34 60.885,30.428 61.595,29.718 P2.2
SWO: IC1.55 P2.6 | length 16.7
  Top Layer w0.254: v1(64.135,27.051) P2.6 ; v1(68.326,37.973) 68.338,37.985 IC1.55
  Bottom Layer w0.254: v1(64.135,27.051) 64.135,35.306 64.897,36.068 67.691,36.068 68.326,36.703 v1(68.326,37.973)
TXD0-ESP32: IC1.38 P4.2 U6.35 | length 47.7
  Top Layer w0.254: IC1.38 62.885,31.349 64.008,30.226 68.007,30.226 70.547,27.686 76.612,27.686 77.628,26.67 78.486,26.67 P4.2 ; v1(69.342,4.953) 71.055,4.953 U6.35
  Bottom Layer w0.254: v1(69.342,4.953) 69.342,14.478 P4.2
VAN: C6.1 R9.1 U1.13 U1.15 | length 13.4
  Top Layer w0.254: C6.1 21.463,38.227 21.697,37.993 25.146,37.993 ; v1(25.146,37.338) 25.146,37.993 ; v1(25.146,39.243) 25.623,39.243 25.873,38.993 U1.13 ; U1.15 25.146,37.993
  Top Layer w0.8: R9.1 19.701,38.116 C6.1
  Bottom Layer w0.254: v1(25.146,37.338) v1(25.146,39.243)
VAP: C6.2 R9.2 R13.1 U1.14 | length 12
  Top Layer w0.254: C6.2@19.923,40.138 20.056,40.005 22.225,40.005 23.737,38.493 U1.14
  Top Layer w0.8: R9.2 19.901,40.116 19.923,40.138 R13.1
VCC: C27.1 C29.2 C30.2 C36.1 C37.1 C38.1 C39.1 IC1.1 IC1.13 IC1.19 IC1.32 IC1.48 IC1.64 J6.3 J9.1 J10.1 P2.1 P6.1 P6.8 P7.2 R17.1 U4.20 U5.16 U6.2 U6.3 U7.3 | length 285.9
  Top Layer w0.254: v1(41.656,31.877) 42.799,31.877 43.942,33.02 C29.2 45.201,34.025 45.847,34.671 45.847,37.719 45.339,38.227 45.339,38.481 ; v1(43.18,37.719) 44.577,37.719 45.339,38.481 ; C30.2 45.339,38.481 ; v1(54.229,42.037) 53.34,42.037 51.816,43.561 51.816,47.371 52.959,48.514 56.642,48.514 ; P6.1 55.626,49.53 56.642,48.514 ; v1(58.42,32.258) 58.435,32.273 IC1.32 60.512,34.985 61.885,36.358 61.885,43.089 ; IC1.19 60.281,41.485 61.885,43.089 ; v1(63.881,42.545) 62.429,42.545 61.885,43.089 ; v1(65.659,42.545) 65.719,42.485 67.437,42.485 ; IC1.48 67.885,34.103 68.326,34.544 68.326,36.83 67.437,37.719 67.437,42.485 ; IC1.1 69.484,44.435 ; v1(75.946,45.466) 73.66,45.466 72.629,44.435 69.484,44.435 ; 56.642,48.514 58.928,48.514 61.885,45.557 IC1.13 61.885,43.089 ; 67.437,42.485 IC1.64 69.835,44.084 69.484,44.435
  Top Layer w0.5: C30.2 46.598,40.883 47.117,41.402 47.117,48.26 51.228,52.371 51.388,52.371
  Top Layer w0.6: C27.1 59.999,26.046 P2.1 61.595,23.495 60.949,22.849 C37.1
  Top Layer w0.65: 51.388,53.213 70.993,53.213 73.152,55.372 v1(73.406,55.372) 90.932,55.372 97.155,49.149 v1(97.155,6.096) ; v1(58.928,29.337) 58.928,28.194 59.436,27.686 C27.1
  Top Layer w0.8: J6.3@51.388,60.626 51.388,62.564 52.07,63.246 57.785,63.246 58.674,62.357 R17.1 ; J10.1 57.774,26.046 C27.1 ; C37.1 60.949,9.155 63.055,7.049 U7.3 ; U6.2 U6.3 90.701,3.706 92.837,5.842 P7.2
  Top Layer w1.5: 51.388,52.371 52.959,50.8 P6.1 ; 51.388,53.213 51.388,55.626 J6.3@51.388,60.626
  Bottom Layer w0.254: v1(41.656,31.877) U5.16 ; U4.20 42.799,38.1 v1(43.18,37.719) ; v1(54.229,42.037) 55.477,42.037 C39.1 ; v1(58.42,32.258) 58.431,32.269 C38.1 ; v1(63.881,42.545) v1(65.659,42.545)
  Bottom Layer w0.5: C36.1 73.036,46.598 74.168,45.466 v1(75.946,45.466)
  Bottom Layer w0.65: v1(58.42,32.258) 58.928,31.75 v1(58.928,29.337) ; P6.8 v1(73.406,55.372) ; P7.2 92.837,6.096 v1(97.155,6.096)
  Bottom Layer w1: C36.1 73.036,50.43 P6.8
VDDOUT: C15.1 C16.1 U1.10 | length 5.5
  Top Layer w0.254: v1(25.781,41.656) 25.781,41.021 26.309,40.493 U1.10
  Bottom Layer w0.254: C16.1 25.019,42.418 v1(25.781,41.656)
  Bottom Layer w1: C15.1 C16.1
XT1-1: C32.2 IC1.5 XT2.2 | length 31.7
  Top Layer w0.254: IC1.5 65.885,45.311 67.564,46.99 77.724,46.99 78.994,45.72 89.662,45.72 90.161,46.219 XT2.2 XT2.2@90.181,47.518
  Top Layer w1: XT2.2@90.181,47.518 C32.2
XT1-2: C33.2 IC1.6 XT2.1 | length 22
  Top Layer w0.254: IC1.6 65.385,45.573 67.31,47.498 XT2.1
  Top Layer w1: C33.2 81.65,47.509 XT2.1
pads on no net: C1.0 C2.0 C3.0 C4.0 C5.0 C6.0 C7.0 C8.0 C9.0 C10.0 C11.0 C12.0 C13.0 C14.0 C15.0 C16.0 C17.0 C18.0 C19.0 C20.0 C21.0 C22.0 C23.0 C24.0 C27.0 C29.0 C30.0 C31.0 C32.0 C33.0 C34.0 C35.0 C36.0 C37.0 C38.0 C39.0 IC1.2 IC1.3 IC1.4 IC1.14 IC1.15 IC1.16 IC1.39 IC1.40 IC1.54 IC1.56 IC1.57 IC1.58 IC1.59 IC1.61 IC1.62 J1.SM J7.2 J8.SM J9.SM J10.SM J11.SM J12.SM LED1.0 LED2.0 LED3.0 LED4.0 LED5.0 P2.7 P2.8 P2.9 R1.0 R3.0 R4.0 R5.0 R6.0 R7.0 R8.0 R9.0 R10.0 R11.0 R12.0 R13.0 R14.0 R15.0 R16.0 R17.0 R18.0 R19.0 R20.0 R21.0 R22.0 S1.5 S2.5 U1.33 U4.3 U4.5 U4.9 U4.16 U4.18 U4.19 U5.6 U5.7 U5.10 U5.11 U6.4 U6.5 U6.6 U6.7 U6.8 U6.9 U6.10 U6.11 U6.12 U6.13 U6.14 U6.16 U6.17 U6.18 U6.23 U6.24 U6.26 U6.27 U6.28 U6.29 U6.30 U6.31 U6.32 U6.33 U6.36 U6.37 U7.5 U7.6 U7.7 U7.8 U7.10 U7.11 X2.0 X2.10 X2.11 XT1.0 XT2.0
copper on no net:
  other v1: 28.711,38.693 29.811,38.693 28.711,39.793 29.811,39.793

## Polygon pours and split planes (outlines as drawn)
GND on Top Layer "GND_L01_P006" (solid, remove dead copper, pour order 6): 41.402,44.831 49.784,53.213 49.784,63.881 49.911,64.008 97.79,64.008 97.79,0 41.275,0
GND on Bottom Layer "GND_L02_P008" (solid, remove dead copper, pour order 8): 41.402,44.831 41.402,44.958 49.784,53.34 49.784,64.008 97.79,64.008 97.79,0 41.275,0

## Silkscreen, mask and mechanical layers (free items; w line width, h text height)
Top Overlay:
  text "3V3 GND | 3V3 GND" at 65.151,61.468 h1.52
  text "ADE | ISO" at 71.247,58.928 h1.52
  text "LOUT LIN | | N" at 11.43,56.769 h1.52 r270
Bottom Overlay:
  text "SmartEnergyMeter v2 / ADE9153A & STM32F4 / 11/2018 / by: D.Topic" at 29.083,0.889 h1.52

## Text inside footprints (layer, text, board x,y; h text height)
P7: Top Overlay "2" at 93.345,7.366 h1.27 r90; Top Overlay "1" at 95.885,7.874 h1.27 r90; Top Overlay "7" at 95.885,19.05 h1.27 r90; Top Overlay "8" at 93.345,19.05 h1.27 r90
X2: Mechanical 2 "Rub tiskane pločice" at 0.222,31.718 h0.5 r270; Mechanical 2 "Prednji dio konektora" at -2.978,31.918 h0.5 r270